# Altium PCB 电解水杯拼版6in1.PcbDoc (part 1 of 9)
Units mm, origin at the board's own origin, x right, y up, seen from the top; angles counter-clockwise.
Board outline 210 x 138 mm, 2 copper layers (Top Layer, Bottom Layer); 750 components, 0 nets, 2092 pads, 2070 vias.
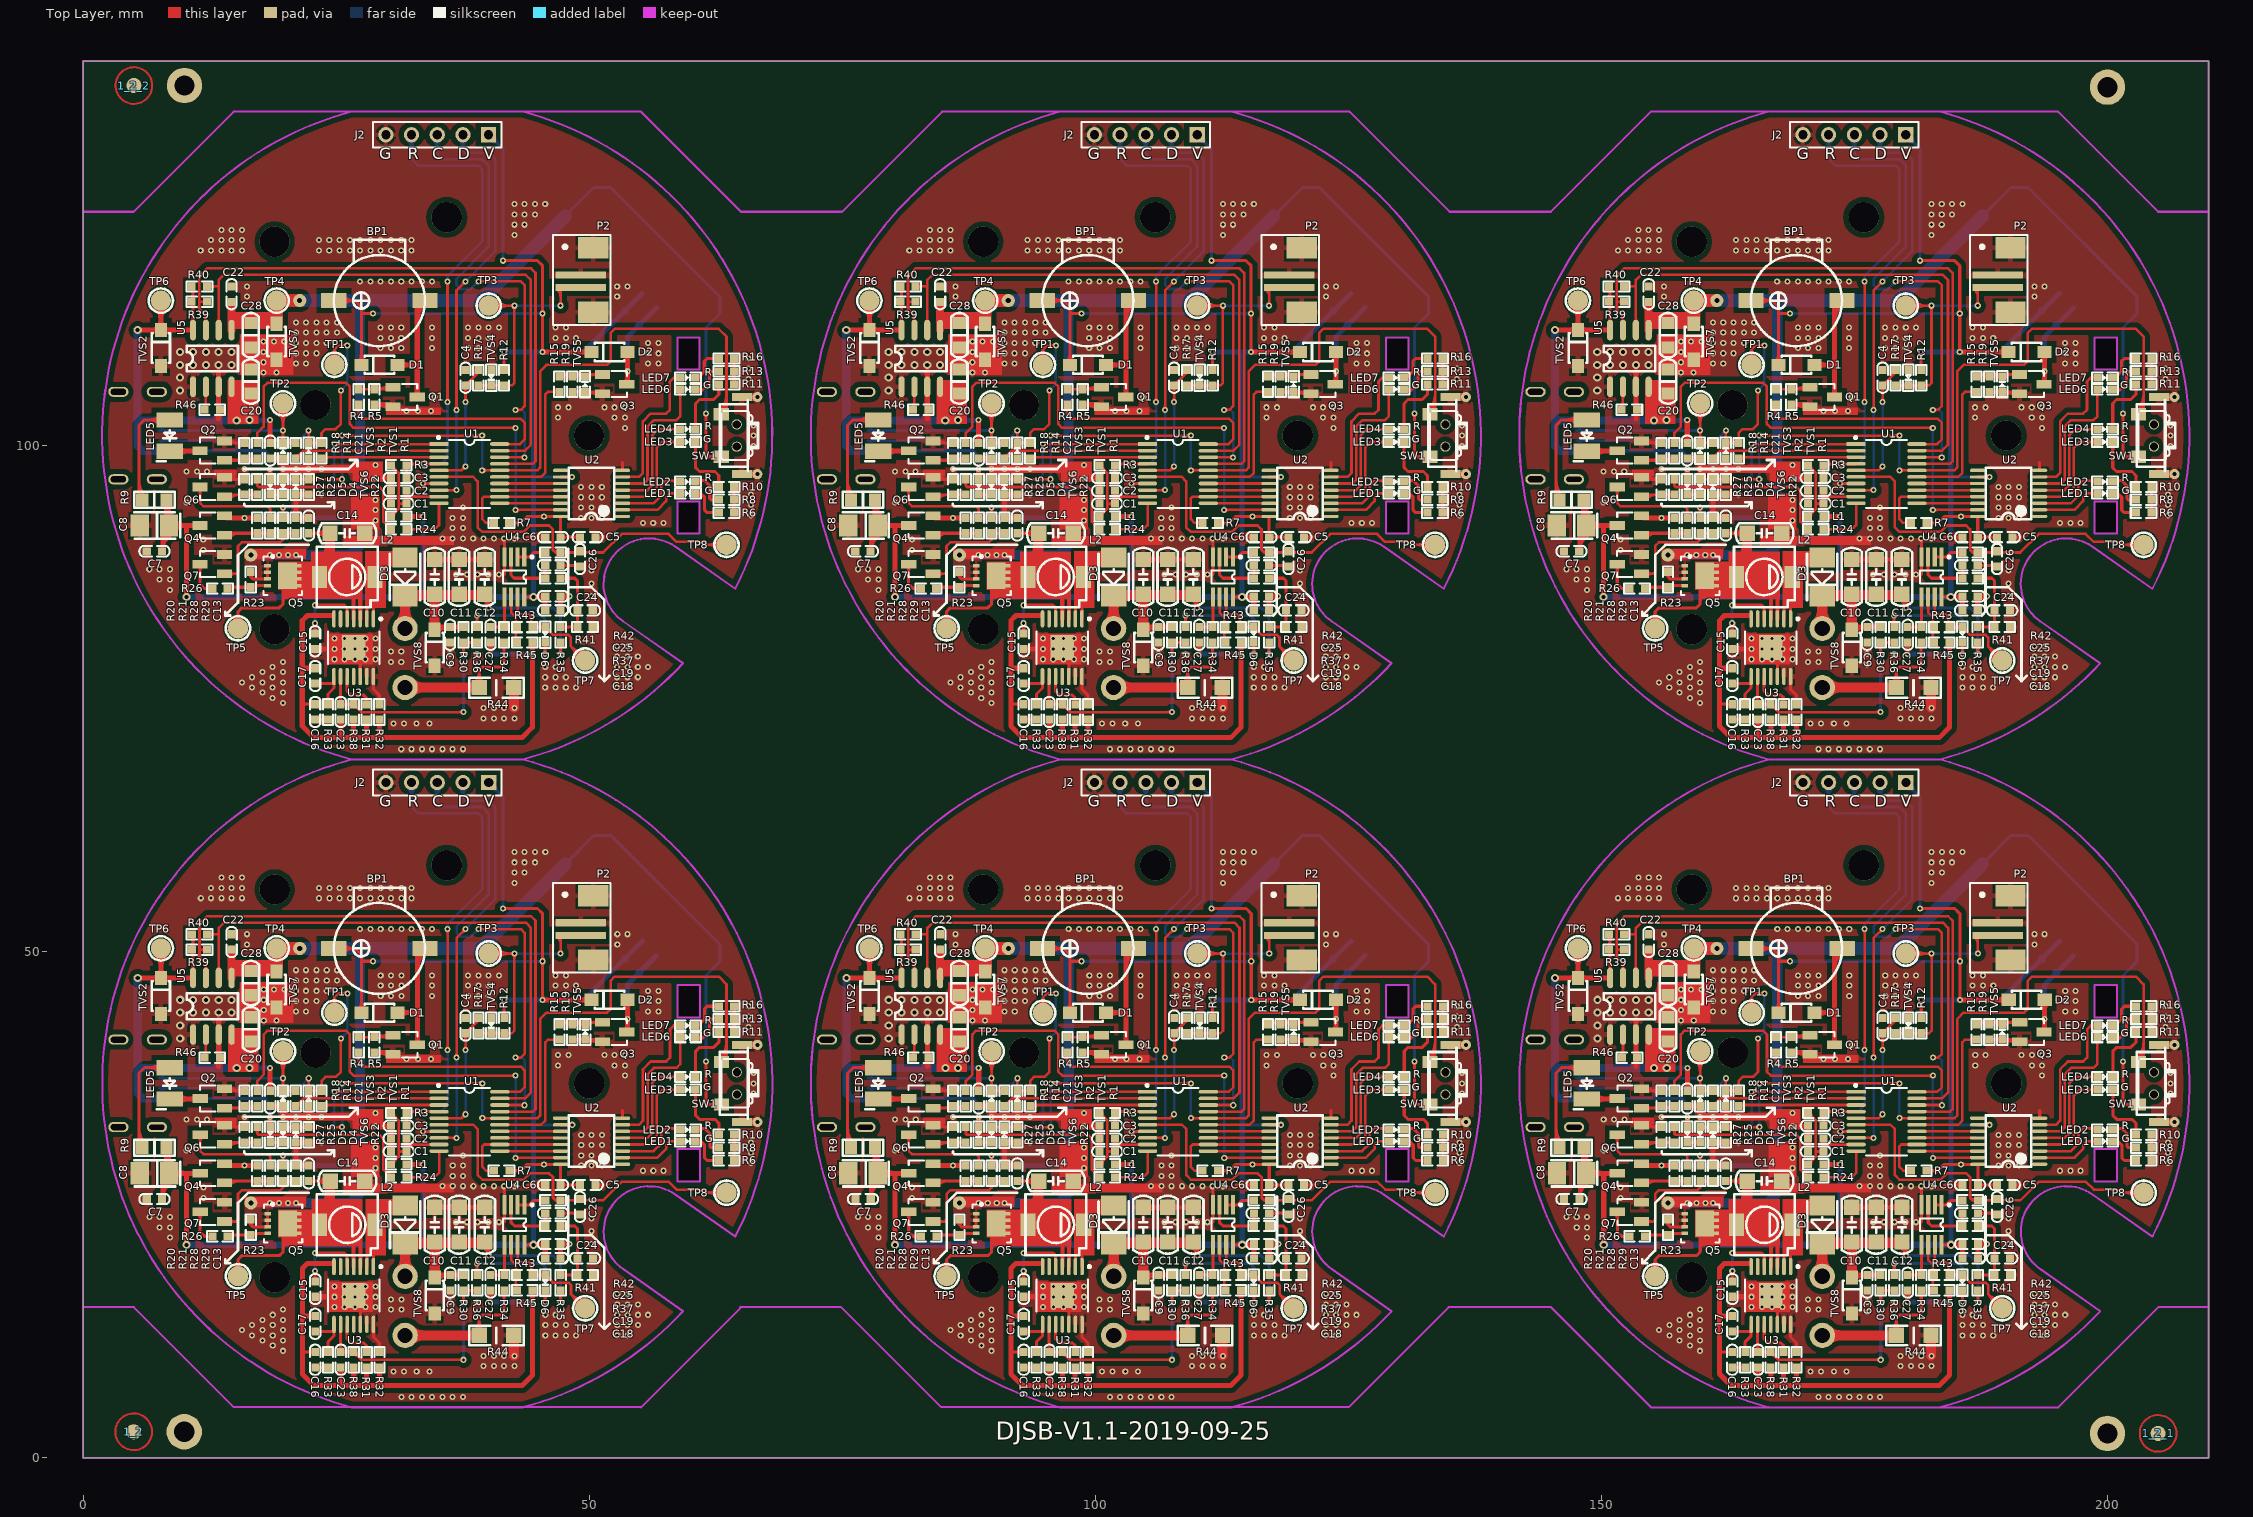
[diagram p0: Top Layer view]
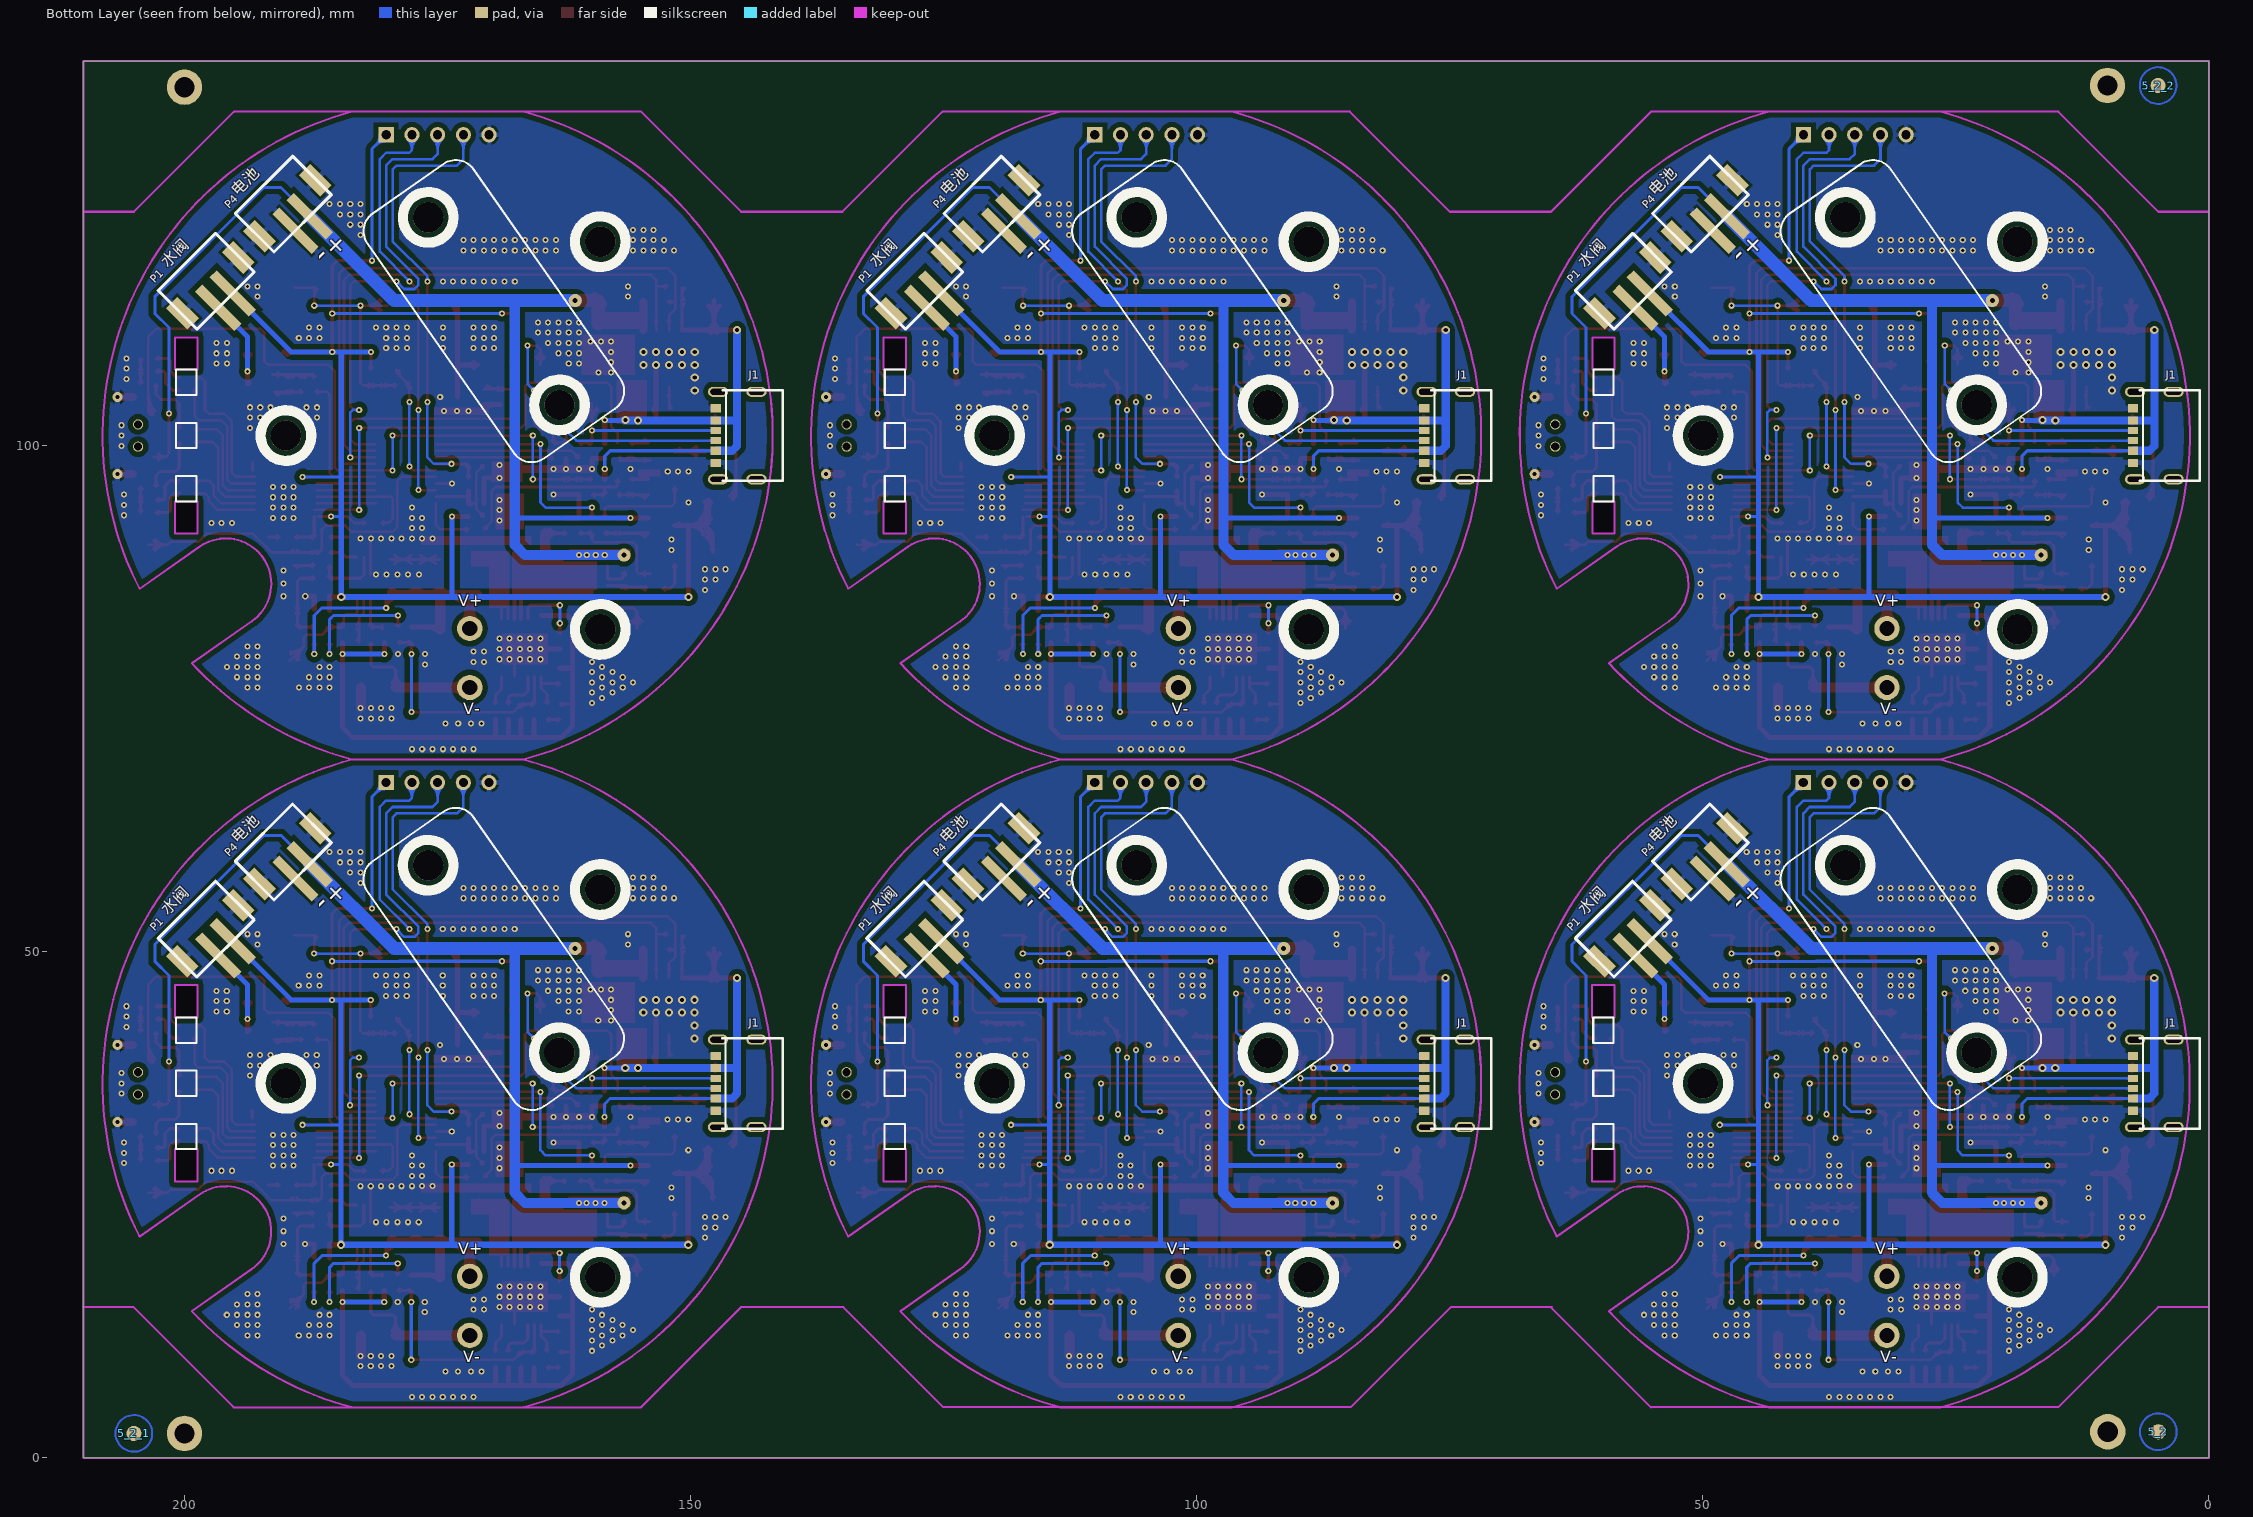
[diagram p1: Bottom Layer view, seen from below]

## Layer stack, top to bottom
Top Solder: solder mask 0.0102, Solder Resist, Dk 3.5
Top Layer: signal copper 0.0356
Dielectric 1: dielectric 0.32, FR-4, Dk 4.8
Bottom Layer: signal copper 0.0356
Bottom Solder: solder mask 0.0102, Solder Resist, Dk 3.5

## Board outline
0,0 0,138 210,138 210,0

## Design rules (kind name [scope] priority, off if disabled: settings)
Clearance [All] p1: gap=0.254
PolygonConnect [All] p1: connectstyle=Relief reliefconductorwidth=0.254 reliefentries=4 polygonreliefangle="90 Angle" airgapwidth=0.254
RoutingVias [All] p1: holewidth=0.711 width=1.27 viastyle="Through Hole" minholewidth=0.711 minwidth=1.27 maxholewidth=0.711 maxwidth=1.27
SolderMaskExpansion [All] p1: expansion=0.102
Width [All] p1: maxlimit=0.254 minlimit=0.254 preferedwidth=0.254
29 further rules are at their usual default settings.

## Components (designator, comment, footprint, x,y, rotation, side; value= is the part's Value field where it differs from the comment)
1_2 "Comment" MARKA 5,2.58 r180 top
1_2_1 "Comment" MARKA 205,2.42 r0 top
1_2_2 "Comment" MARKA 5.025,135.58 r180 top
5_2 "" MARK 5,2.58 r180 top
5_2_1 "" MARK 205,2.42 r0 top
5_2_2 "" MARK 5.025,135.58 r180 top
BP1 "KLJ-9032" SP9025 169.283,50.335 r180 top
BP1 "KLJ-9032" SP9025 99.283,50.335 r180 top
BP1 "KLJ-9032" SP9025 29.283,50.335 r180 top
BP1 "KLJ-9032" SP9025 169.277,114.335 r180 top
BP1 "KLJ-9032" SP9025 99.277,114.335 r180 top
BP1 "KLJ-9032" SP9025 29.277,114.335 r180 top
C1 "10uF 10V" SMD-0603C 171.188,30.269 r0 top
C1 "10uF 10V" SMD-0603C 101.188,30.269 r0 top
C1 "10uF 10V" SMD-0603C 31.188,30.269 r0 top
C1 "10uF 10V" SMD-0603C 171.182,94.269 r0 top
C1 "10uF 10V" SMD-0603C 101.182,94.269 r0 top
C1 "10uF 10V" SMD-0603C 31.182,94.269 r0 top
C2 "104 50V" SMD-0603C 171.188,31.539 r0 top
C2 "104 50V" SMD-0603C 101.188,31.539 r0 top
C2 "104 50V" SMD-0603C 31.188,31.539 r0 top
C2 "104 50V" SMD-0603C 171.182,95.539 r0 top
C2 "104 50V" SMD-0603C 101.182,95.539 r0 top
C2 "104 50V" SMD-0603C 31.182,95.539 r0 top
C3 "104 50V" SMD-0603C 171.188,32.809 r180 top
C3 "104 50V" SMD-0603C 101.188,32.809 r180 top
C3 "104 50V" SMD-0603C 31.188,32.809 r180 top
C3 "104 50V" SMD-0603C 171.182,96.809 r180 top
C3 "104 50V" SMD-0603C 101.182,96.809 r180 top
C3 "104 50V" SMD-0603C 31.182,96.809 r180 top
C4 "104 50V" SMD-0603C 177.792,42.715 r270 top
C4 "104 50V" SMD-0603C 107.792,42.715 r270 top
C4 "104 50V" SMD-0603C 37.792,42.715 r270 top
C4 "104 50V" SMD-0603C 177.786,106.715 r270 top
C4 "104 50V" SMD-0603C 107.786,106.715 r270 top
C4 "104 50V" SMD-0603C 37.786,106.715 r270 top
C5 "10uF 10V" SMD-0603C 189.857,26.967 r180 top
C5 "10uF 10V" SMD-0603C 119.857,26.967 r180 top
C5 "10uF 10V" SMD-0603C 49.857,26.967 r180 top
C5 "10uF 10V" SMD-0603C 189.851,90.967 r180 top
C5 "10uF 10V" SMD-0603C 119.851,90.967 r180 top
C5 "10uF 10V" SMD-0603C 49.851,90.967 r180 top
C6 "104 50V" SMD-0603C 186.428,26.967 r0 top
C6 "104 50V" SMD-0603C 116.428,26.967 r0 top
C6 "104 50V" SMD-0603C 46.428,26.967 r0 top
C6 "104 50V" SMD-0603C 186.422,90.967 r0 top
C6 "104 50V" SMD-0603C 116.422,90.967 r0 top
C6 "104 50V" SMD-0603C 46.422,90.967 r0 top
C7 "104 50V" SMD-0603C 147.058,25.57 r0 top
C7 "104 50V" SMD-0603C 77.058,25.57 r0 top
C7 "104 50V" SMD-0603C 7.058,25.57 r0 top
C7 "104 50V" SMD-0603C 147.052,89.57 r0 top
C7 "104 50V" SMD-0603C 77.052,89.57 r0 top
C7 "104 50V" SMD-0603C 7.052,89.57 r0 top
C8 "100uF 10V" SMD-3528-B 147.058,28.11 r180 top
C8 "100uF 10V" SMD-3528-B 77.058,28.11 r180 top
C8 "100uF 10V" SMD-3528-B 7.058,28.11 r180 top
C8 "100uF 10V" SMD-3528-B 147.052,92.11 r180 top
C8 "100uF 10V" SMD-3528-B 77.052,92.11 r180 top
C8 "100uF 10V" SMD-3528-B 7.052,92.11 r180 top
C9 "104 50V" SMD-0603C 176.268,17.315 r90 top
C9 "104 50V" SMD-0603C 106.268,17.315 r90 top
C9 "104 50V" SMD-0603C 36.268,17.315 r90 top
C9 "104 50V" SMD-0603C 176.262,81.315 r90 top
C9 "104 50V" SMD-0603C 106.262,81.315 r90 top
C9 "104 50V" SMD-0603C 36.262,81.315 r90 top
C10 "106 35V X5R" SMD-1206C 174.744,23.03 r270 top
C10 "106 35V X5R" SMD-1206C 104.744,23.03 r270 top
C10 "106 35V X5R" SMD-1206C 34.744,23.03 r270 top
C10 "106 35V X5R" SMD-1206C 174.738,87.03 r270 top
C10 "106 35V X5R" SMD-1206C 104.738,87.03 r270 top
C10 "106 35V X5R" SMD-1206C 34.738,87.03 r270 top
C11 "106 35V X5R" SMD-1206C 177.157,23.03 r270 top
C11 "106 35V X5R" SMD-1206C 107.157,23.03 r270 top
C11 "106 35V X5R" SMD-1206C 37.157,23.03 r270 top
C11 "106 35V X5R" SMD-1206C 177.151,87.03 r270 top
C11 "106 35V X5R" SMD-1206C 107.151,87.03 r270 top
C11 "106 35V X5R" SMD-1206C 37.151,87.03 r270 top
C12 "106 35V X5R" SMD-1206C 179.697,23.03 r270 top
C12 "106 35V X5R" SMD-1206C 109.697,23.03 r270 top
C12 "106 35V X5R" SMD-1206C 39.697,23.03 r270 top
C12 "106 35V X5R" SMD-1206C 179.691,87.03 r270 top
C12 "106 35V X5R" SMD-1206C 109.691,87.03 r270 top
C12 "106 35V X5R" SMD-1206C 39.691,87.03 r270 top
C13 "104 50V" SMD-0603C 162.298,28.11 r270 top
C13 "104 50V" SMD-0603C 92.298,28.11 r270 top
C13 "104 50V" SMD-0603C 22.298,28.11 r270 top
C13 "104 50V" SMD-0603C 162.292,92.11 r270 top
C13 "104 50V" SMD-0603C 92.292,92.11 r270 top
C13 "104 50V" SMD-0603C 22.292,92.11 r270 top
C14 "106 35V X5R" SMD-1206C 166.108,27.348 r180 top
C14 "106 35V X5R" SMD-1206C 96.108,27.348 r180 top
C14 "106 35V X5R" SMD-1206C 26.108,27.348 r180 top
C14 "106 35V X5R" SMD-1206C 166.102,91.348 r180 top
C14 "106 35V X5R" SMD-1206C 96.102,91.348 r180 top
C14 "106 35V X5R" SMD-1206C 26.102,91.348 r180 top
C15 "0.047uF 50V" SMD-0603C 162.933,16.68 r270 top
C15 "0.047uF 50V" SMD-0603C 92.933,16.68 r270 top
C15 "0.047uF 50V" SMD-0603C 22.933,16.68 r270 top
C15 "0.047uF 50V" SMD-0603C 162.927,80.68 r270 top
C15 "0.047uF 50V" SMD-0603C 92.927,80.68 r270 top
C15 "0.047uF 50V" SMD-0603C 22.927,80.68 r270 top
C16 "104 50V" SMD-0603C 162.932,9.696 r90 top
C16 "104 50V" SMD-0603C 92.932,9.696 r90 top
C16 "104 50V" SMD-0603C 22.932,9.696 r90 top
C16 "104 50V" SMD-0603C 162.927,73.696 r90 top
C16 "104 50V" SMD-0603C 92.927,73.696 r90 top
C16 "104 50V" SMD-0603C 22.927,73.696 r90 top
C17 "100pF 50V" SMD-0603C 162.933,13.251 r90 top
C17 "100pF 50V" SMD-0603C 92.933,13.251 r90 top
C17 "100pF 50V" SMD-0603C 22.933,13.251 r90 top
C17 "100pF 50V" SMD-0603C 162.927,77.251 r90 top
C17 "100pF 50V" SMD-0603C 92.927,77.251 r90 top
C17 "100pF 50V" SMD-0603C 22.927,77.251 r90 top
C18 "10uF 10V" SMD-0603C 186.427,19.729 r180 top
C18 "10uF 10V" SMD-0603C 116.427,19.729 r180 top
C18 "10uF 10V" SMD-0603C 46.427,19.729 r180 top
C18 "10uF 10V" SMD-0603C 186.422,83.729 r180 top
C18 "10uF 10V" SMD-0603C 116.422,83.729 r180 top
C18 "10uF 10V" SMD-0603C 46.422,83.729 r180 top
C19 "104 50V" SMD-0603C 186.427,21.126 r180 top
C19 "104 50V" SMD-0603C 116.427,21.126 r180 top
C19 "104 50V" SMD-0603C 46.427,21.126 r180 top
C19 "104 50V" SMD-0603C 186.422,85.126 r180 top
C19 "104 50V" SMD-0603C 116.422,85.126 r180 top
C19 "104 50V" SMD-0603C 46.422,85.126 r180 top
C20 "106 10V X5R" SMD-0805C 156.585,42.338 r270 top
C20 "106 10V X5R" SMD-0805C 86.585,42.338 r270 top
C20 "106 10V X5R" SMD-0805C 16.585,42.338 r270 top
C20 "106 10V X5R" SMD-0805C 156.58,106.338 r270 top
C20 "106 10V X5R" SMD-0805C 86.58,106.338 r270 top
C20 "106 10V X5R" SMD-0805C 16.58,106.338 r270 top
C21 "104 50V" SMD-0603C 158.488,35.511 r90 top
C21 "104 50V" SMD-0603C 88.488,35.511 r90 top
C21 "104 50V" SMD-0603C 18.488,35.511 r90 top
C21 "104 50V" SMD-0603C 158.482,99.511 r90 top
C21 "104 50V" SMD-0603C 88.482,99.511 r90 top
C21 "104 50V" SMD-0603C 18.482,99.511 r90 top
C22 "104 50V" SMD-0603C 154.678,50.97 r90 top
C22 "104 50V" SMD-0603C 84.678,50.97 r90 top
C22 "104 50V" SMD-0603C 14.678,50.97 r90 top
C22 "104 50V" SMD-0603C 154.672,114.97 r90 top
C22 "104 50V" SMD-0603C 84.672,114.97 r90 top
C22 "104 50V" SMD-0603C 14.672,114.97 r90 top
C23 "NC" SMD-0603C 165.472,9.696 r270 top
C23 "NC" SMD-0603C 95.472,9.696 r270 top
C23 "NC" SMD-0603C 25.472,9.696 r270 top
C23 "NC" SMD-0603C 165.467,73.696 r270 top
C23 "NC" SMD-0603C 95.467,73.696 r270 top
C23 "NC" SMD-0603C 25.467,73.696 r270 top
C24 "104 50V" SMD-0603C 189.602,19.729 r180 top
C24 "104 50V" SMD-0603C 119.602,19.729 r180 top
C24 "104 50V" SMD-0603C 49.602,19.729 r180 top
C24 "104 50V" SMD-0603C 189.597,83.729 r180 top
C24 "104 50V" SMD-0603C 119.597,83.729 r180 top
C24 "104 50V" SMD-0603C 49.597,83.729 r180 top
C25 "104 50V" SMD-0603C 186.427,24.174 r180 top
C25 "104 50V" SMD-0603C 116.427,24.174 r180 top
C25 "104 50V" SMD-0603C 46.427,24.174 r180 top
C25 "104 50V" SMD-0603C 186.422,88.174 r180 top
C25 "104 50V" SMD-0603C 116.422,88.174 r180 top
C25 "104 50V" SMD-0603C 46.422,88.174 r180 top
C26 "100pF 50V" SMD-0603C 189.095,24.808 r270 top
C26 "100pF 50V" SMD-0603C 119.095,24.808 r270 top
C26 "100pF 50V" SMD-0603C 49.095,24.808 r270 top
C26 "100pF 50V" SMD-0603C 189.089,88.808 r270 top
C26 "100pF 50V" SMD-0603C 119.089,88.808 r270 top
C26 "100pF 50V" SMD-0603C 49.089,88.808 r270 top
C27 "NC" SMD-0603C 180.268,17.315 r270 top
C27 "NC" SMD-0603C 110.268,17.315 r270 top
C27 "NC" SMD-0603C 40.268,17.315 r270 top
C27 "NC" SMD-0603C 180.263,81.315 r270 top
C27 "NC" SMD-0603C 110.263,81.315 r270 top
C27 "NC" SMD-0603C 40.263,81.315 r270 top
C28 "106 10V X5R" SMD-0805C 156.585,46.91 r90 top
C28 "106 10V X5R" SMD-0805C 86.585,46.91 r90 top
C28 "106 10V X5R" SMD-0805C 16.585,46.91 r90 top
C28 "106 10V X5R" SMD-0805C 156.58,110.91 r90 top
C28 "106 10V X5R" SMD-0805C 86.58,110.91 r90 top
C28 "106 10V X5R" SMD-0805C 16.58,110.91 r90 top
D1 "1N4148" SOD-123 169.283,43.985 r180 top
D1 "1N4148" SOD-123 99.283,43.985 r180 top
D1 "1N4148" SOD-123 29.283,43.985 r180 top
D1 "1N4148" SOD-123 169.277,107.985 r180 top
D1 "1N4148" SOD-123 99.277,107.985 r180 top
D1 "1N4148" SOD-123 29.277,107.985 r180 top
D2 "1N4148" SOD-123 192.016,45.255 r180 top
D2 "1N4148" SOD-123 122.016,45.255 r180 top
D2 "1N4148" SOD-123 52.016,45.255 r180 top
D2 "1N4148" SOD-123 192.01,109.255 r180 top
D2 "1N4148" SOD-123 122.01,109.255 r180 top
D2 "1N4148" SOD-123 52.01,109.255 r180 top
D3 "1N5822 SMA SS34" DO-214-AC 171.823,23.03 r270 top
D3 "1N5822 SMA SS34" DO-214-AC 101.823,23.03 r270 top
D3 "1N5822 SMA SS34" DO-214-AC 31.823,23.03 r270 top
D3 "1N5822 SMA SS34" DO-214-AC 171.817,87.03 r270 top
D3 "1N5822 SMA SS34" DO-214-AC 101.817,87.03 r270 top
D3 "1N5822 SMA SS34" DO-214-AC 31.817,87.03 r270 top
D4 "1N4148" SOD-523 159.758,31.92 r270 top
D4 "1N4148" SOD-523 89.758,31.92 r270 top
D4 "1N4148" SOD-523 19.758,31.92 r270 top
D4 "1N4148" SOD-523 159.752,95.92 r270 top
D4 "1N4148" SOD-523 89.752,95.92 r270 top
D4 "1N4148" SOD-523 19.752,95.92 r270 top
D5 "1N4148" SOD-523 158.488,31.92 r270 top
D5 "1N4148" SOD-523 88.488,31.92 r270 top
D5 "1N4148" SOD-523 18.488,31.92 r270 top
D5 "1N4148" SOD-523 158.482,95.92 r270 top
D5 "1N4148" SOD-523 88.482,95.92 r270 top
D5 "1N4148" SOD-523 18.482,95.92 r270 top
D6 "1N4148" SOD-523 185.665,17.316 r270 top
D6 "1N4148" SOD-523 115.665,17.316 r270 top
D6 "1N4148" SOD-523 45.665,17.316 r270 top
D6 "1N4148" SOD-523 185.66,81.316 r270 top
D6 "1N4148" SOD-523 115.66,81.316 r270 top
D6 "1N4148" SOD-523 45.66,81.316 r270 top
J1 "TYPE-C" USB-TYPE-C-6P 145.398,37 r90 bottom
J1 "TYPE-C" USB-TYPE-C-6P 75.398,37 r90 bottom
J1 "TYPE-C" USB-TYPE-C-6P 5.398,37 r90 bottom
J1 "TYPE-C" USB-TYPE-C-6P 145.392,101 r90 bottom
J1 "TYPE-C" USB-TYPE-C-6P 75.392,101 r90 bottom
J1 "TYPE-C" USB-TYPE-C-6P 5.392,101 r90 bottom
J2 "OCDD" sip-5 174.997,66.719 r180 top
J2 "OCDD" sip-5 104.997,66.719 r180 top
J2 "OCDD" sip-5 34.997,66.719 r180 top
J2 "OCDD" sip-5 174.992,130.719 r180 top
J2 "OCDD" sip-5 104.992,130.719 r180 top
J2 "OCDD" sip-5 34.992,130.719 r180 top
L1 "GZ1608D101TF" SMD-0603 171.188,28.999 r180 top
L1 "GZ1608D101TF" SMD-0603 101.188,28.999 r180 top
L1 "GZ1608D101TF" SMD-0603 31.188,28.999 r180 top
L1 "GZ1608D101TF" SMD-0603 171.182,92.999 r180 top
L1 "GZ1608D101TF" SMD-0603 101.182,92.999 r180 top
L1 "GZ1608D101TF" SMD-0603 31.182,92.999 r180 top
L2 "SLF6028T-100M1R3-PF" SLF6208T 166.107,23.031 r0 top
L2 "SLF6028T-100M1R3-PF" SLF6208T 96.107,23.031 r0 top
L2 "SLF6028T-100M1R3-PF" SLF6208T 26.107,23.031 r0 top
L2 "SLF6028T-100M1R3-PF" SLF6208T 166.102,87.031 r0 top
L2 "SLF6028T-100M1R3-PF" SLF6208T 96.102,87.031 r0 top
L2 "SLF6028T-100M1R3-PF" SLF6208T 26.102,87.031 r0 top
LED1 "LED 0603 G" SMD-0603D 199.763,31.285 r0 top
LED1 "LED 0603 G" SMD-0603D 129.763,31.285 r0 top
LED1 "LED 0603 G" SMD-0603D 59.763,31.285 r0 top
LED1 "LED 0603 G" SMD-0603D 199.757,95.285 r0 top
LED1 "LED 0603 G" SMD-0603D 129.757,95.285 r0 top
LED1 "LED 0603 G" SMD-0603D 59.757,95.285 r0 top
LED2 "LED 0603 R" SMD-0603D 199.763,32.428 r0 top
LED2 "LED 0603 R" SMD-0603D 129.763,32.428 r0 top
LED2 "LED 0603 R" SMD-0603D 59.763,32.428 r0 top
LED2 "LED 0603 R" SMD-0603D 199.757,96.428 r0 top
LED2 "LED 0603 R" SMD-0603D 129.757,96.428 r0 top
LED2 "LED 0603 R" SMD-0603D 59.757,96.428 r0 top
LED3 "LED 0603 G" SMD-0603D 199.763,36.365 r0 top
LED3 "LED 0603 G" SMD-0603D 129.763,36.365 r0 top
LED3 "LED 0603 G" SMD-0603D 59.763,36.365 r0 top
LED3 "LED 0603 G" SMD-0603D 199.757,100.365 r0 top
LED3 "LED 0603 G" SMD-0603D 129.757,100.365 r0 top
LED3 "LED 0603 G" SMD-0603D 59.757,100.365 r0 top
LED4 "LED 0603 R" SMD-0603D 199.763,37.635 r0 top
LED4 "LED 0603 R" SMD-0603D 129.763,37.635 r0 top
LED4 "LED 0603 R" SMD-0603D 59.763,37.635 r0 top
LED4 "LED 0603 R" SMD-0603D 199.757,101.635 r0 top
LED4 "LED 0603 R" SMD-0603D 129.757,101.635 r0 top
LED4 "LED 0603 R" SMD-0603D 59.757,101.635 r0 top
LED5 "蓝光 3528" LED-3528 148.559,37 r270 top
LED5 "蓝光 3528" LED-3528 78.559,37 r270 top
LED5 "蓝光 3528" LED-3528 8.559,37 r270 top
LED5 "蓝光 3528" LED-3528 148.554,101 r270 top
LED5 "蓝光 3528" LED-3528 78.554,101 r270 top
LED5 "蓝光 3528" LED-3528 8.554,101 r270 top
LED6 "LED 0603 G" SMD-0603D 199.763,41.572 r0 top
LED6 "LED 0603 G" SMD-0603D 129.763,41.572 r0 top
LED6 "LED 0603 G" SMD-0603D 59.763,41.572 r0 top
LED6 "LED 0603 G" SMD-0603D 199.757,105.572 r0 top
LED6 "LED 0603 G" SMD-0603D 129.757,105.572 r0 top
LED6 "LED 0603 G" SMD-0603D 59.757,105.572 r0 top
LED7 "LED 0603 R" SMD-0603D 199.763,42.715 r0 top
LED7 "LED 0603 R" SMD-0603D 129.763,42.715 r0 top
LED7 "LED 0603 R" SMD-0603D 59.763,42.715 r0 top
LED7 "LED 0603 R" SMD-0603D 199.757,106.715 r0 top
LED7 "LED 0603 R" SMD-0603D 129.757,106.715 r0 top
LED7 "LED 0603 R" SMD-0603D 59.757,106.715 r0 top
P1 "PH2.0-2P-LI" PH2.0-2P-LI 195.953,50.335 r135 bottom
P1 "PH2.0-2P-LI" PH2.0-2P-LI 125.953,50.335 r135 bottom
P1 "PH2.0-2P-LI" PH2.0-2P-LI 55.953,50.335 r135 bottom
P1 "PH2.0-2P-LI" PH2.0-2P-LI 195.947,114.335 r135 bottom
P1 "PH2.0-2P-LI" PH2.0-2P-LI 125.947,114.335 r135 bottom
P1 "PH2.0-2P-LI" PH2.0-2P-LI 55.947,114.335 r135 bottom
P2 "1.25mm卧贴" SP2-1.25 188.968,52.24 r270 top
P2 "1.25mm卧贴" SP2-1.25 118.968,52.24 r270 top
P2 "1.25mm卧贴" SP2-1.25 48.968,52.24 r270 top
P2 "1.25mm卧贴" SP2-1.25 188.962,116.24 r270 top
P2 "1.25mm卧贴" SP2-1.25 118.962,116.24 r270 top
P2 "1.25mm卧贴" SP2-1.25 48.962,116.24 r270 top
P4 "PH2.0-2P-LI" PH2.0-2P-LI 188.333,57.955 r135 bottom
P4 "PH2.0-2P-LI" PH2.0-2P-LI 118.333,57.955 r135 bottom
P4 "PH2.0-2P-LI" PH2.0-2P-LI 48.333,57.955 r135 bottom
P4 "PH2.0-2P-LI" PH2.0-2P-LI 188.327,121.955 r135 bottom
P4 "PH2.0-2P-LI" PH2.0-2P-LI 118.327,121.955 r135 bottom
P4 "PH2.0-2P-LI" PH2.0-2P-LI 48.327,121.955 r135 bottom
Q1 "S8050" SOT-23 171.823,40.81 r270 top
Q1 "S8050" SOT-23 101.823,40.81 r270 top
Q1 "S8050" SOT-23 31.823,40.81 r270 top
Q1 "S8050" SOT-23 171.817,104.81 r270 top
Q1 "S8050" SOT-23 101.817,104.81 r270 top
Q1 "S8050" SOT-23 31.817,104.81 r270 top
Q2 "S8050" SOT-23 152.773,35.511 r90 top
Q2 "S8050" SOT-23 82.773,35.511 r90 top
Q2 "S8050" SOT-23 12.773,35.511 r90 top
Q2 "S8050" SOT-23 152.767,99.511 r90 top
Q2 "S8050" SOT-23 82.767,99.511 r90 top
Q2 "S8050" SOT-23 12.767,99.511 r90 top
Q3 "AO3400" SOT-23 192.524,42.08 r270 top
Q3 "AO3400" SOT-23 122.524,42.08 r270 top
Q3 "AO3400" SOT-23 52.524,42.08 r270 top
Q3 "AO3400" SOT-23 192.518,106.08 r270 top
Q3 "AO3400" SOT-23 122.518,106.08 r270 top
Q3 "AO3400" SOT-23 52.518,106.08 r270 top
Q4 "AO3401" SOT-23 152.775,28.114 r90 top
Q4 "AO3401" SOT-23 82.775,28.114 r90 top
Q4 "AO3401" SOT-23 12.775,28.114 r90 top
Q4 "AO3401" SOT-23 152.77,92.114 r90 top
Q4 "AO3401" SOT-23 82.77,92.114 r90 top
Q4 "AO3401" SOT-23 12.77,92.114 r90 top
Q5 "AON7407" DFN3*3-8 159.758,23.157 r270 top